# Altium PCB PCBV2.PcbDoc (part 1 of 2)
Units mm, origin at the board's own origin, x right, y up, seen from the top; angles counter-clockwise.
Board outline 200.03 x 99.95 mm, 4 copper layers (Top Layer, Signal Layer 1, Signal Layer 2, Bottom Layer), stack 0.778 mm thick; 105 components, 43 nets, 243 pads, 14 vias.
Unrouted connection lines stored in the file: 1.
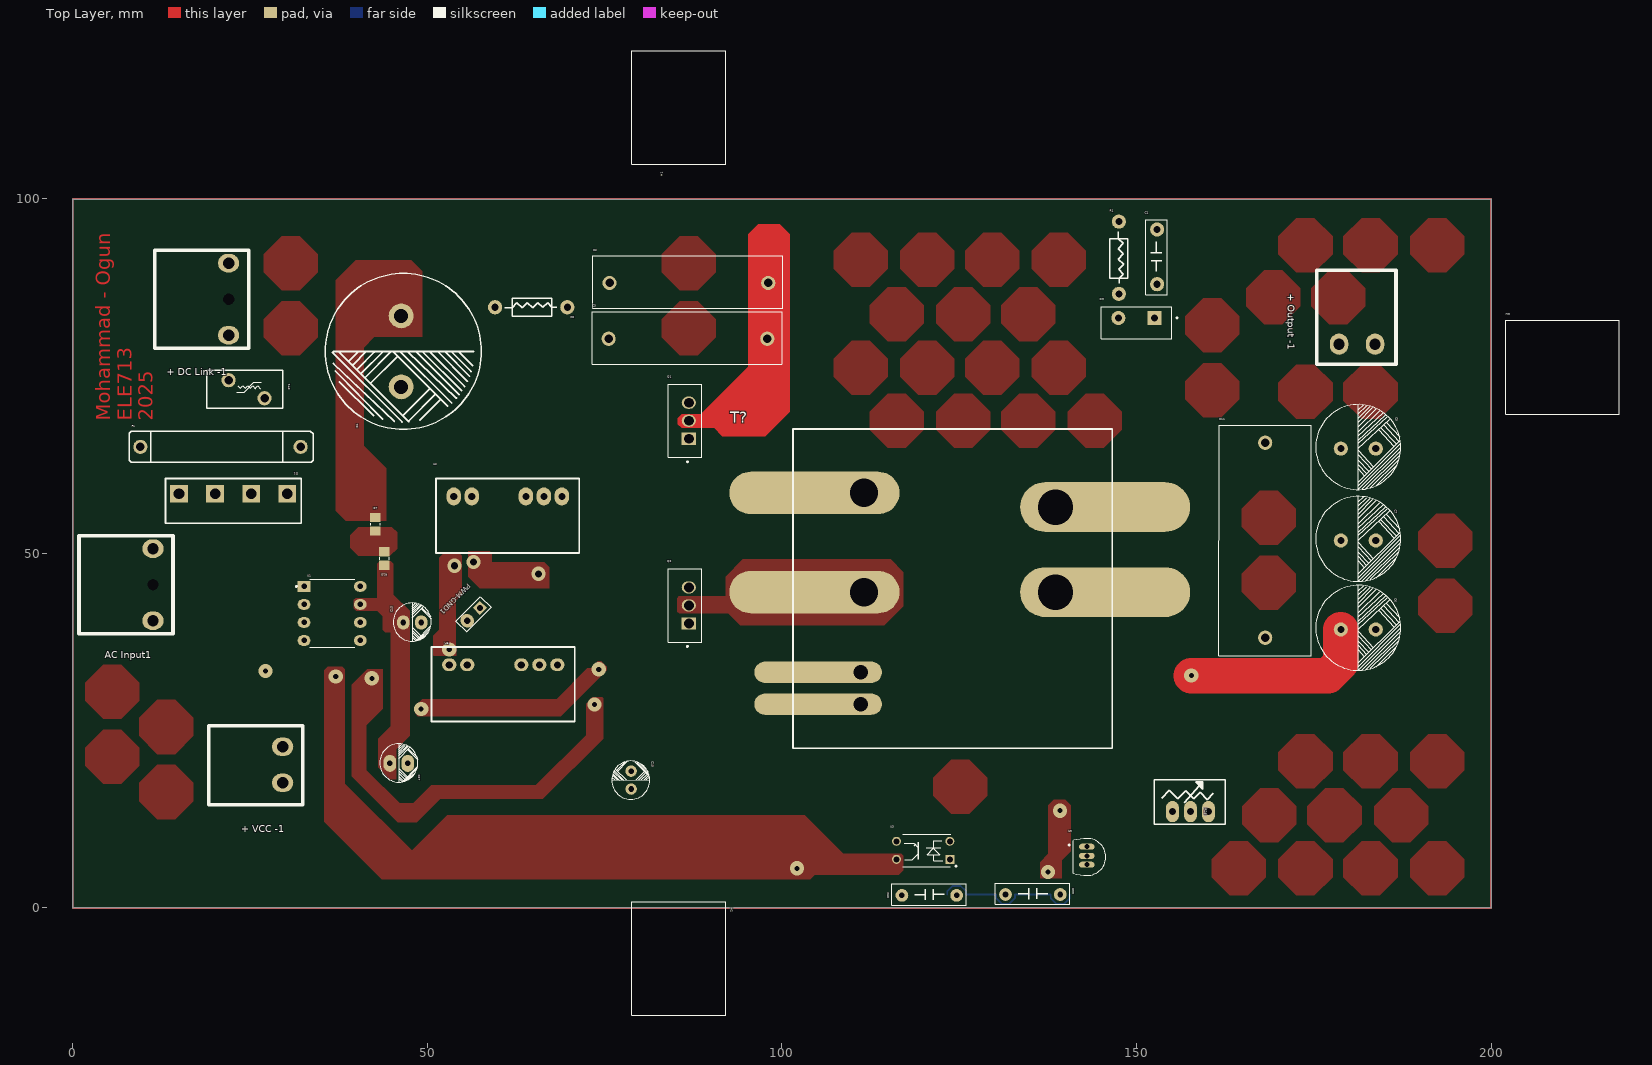
[diagram p0: Top Layer view]
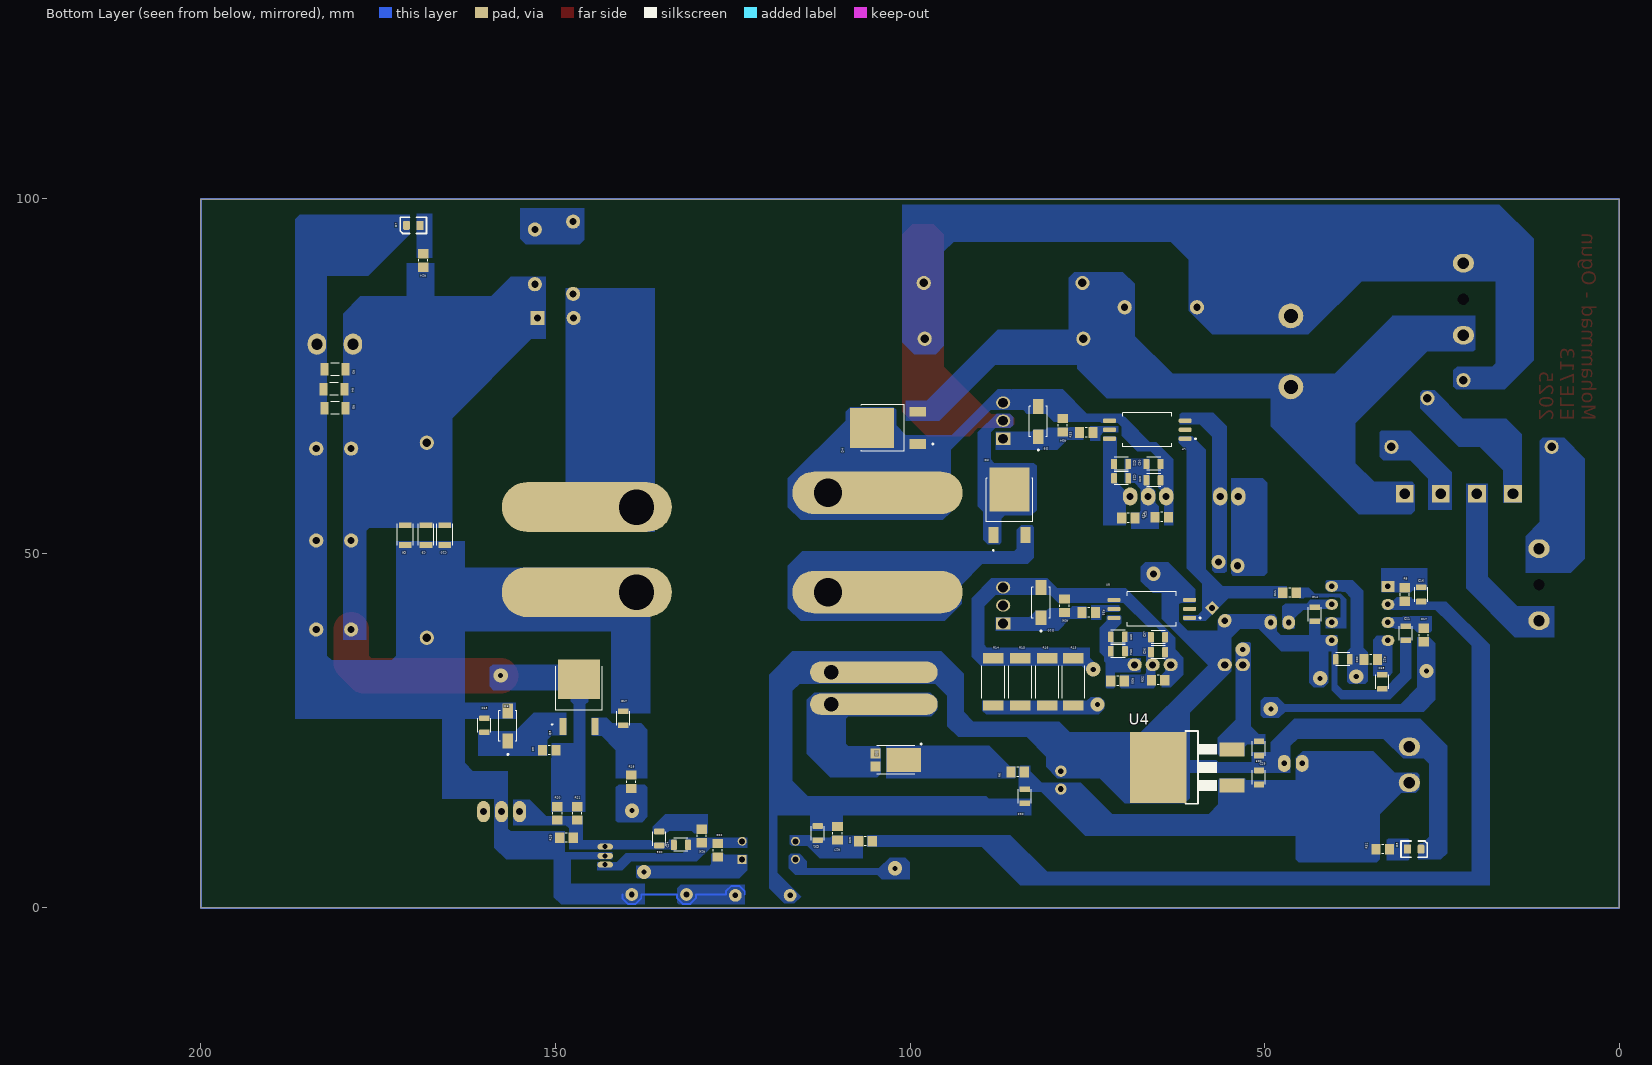
[diagram p1: Bottom Layer view, seen from below]
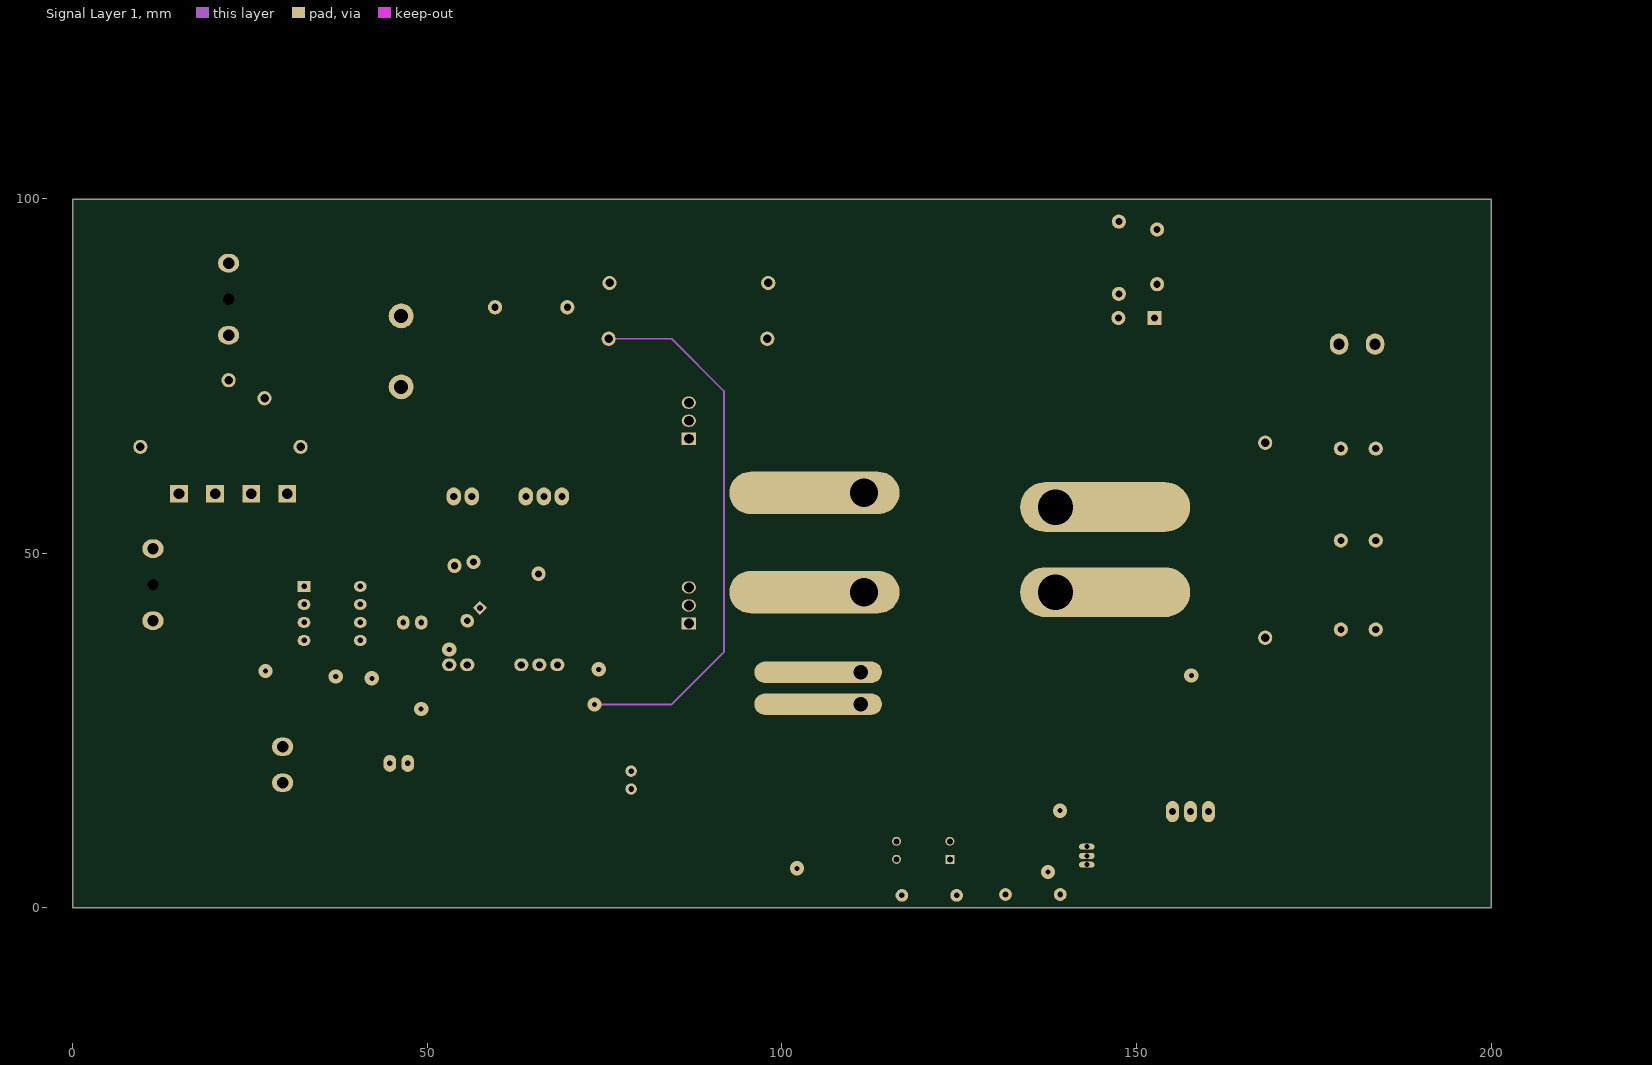
[diagram p2: Signal Layer 1]
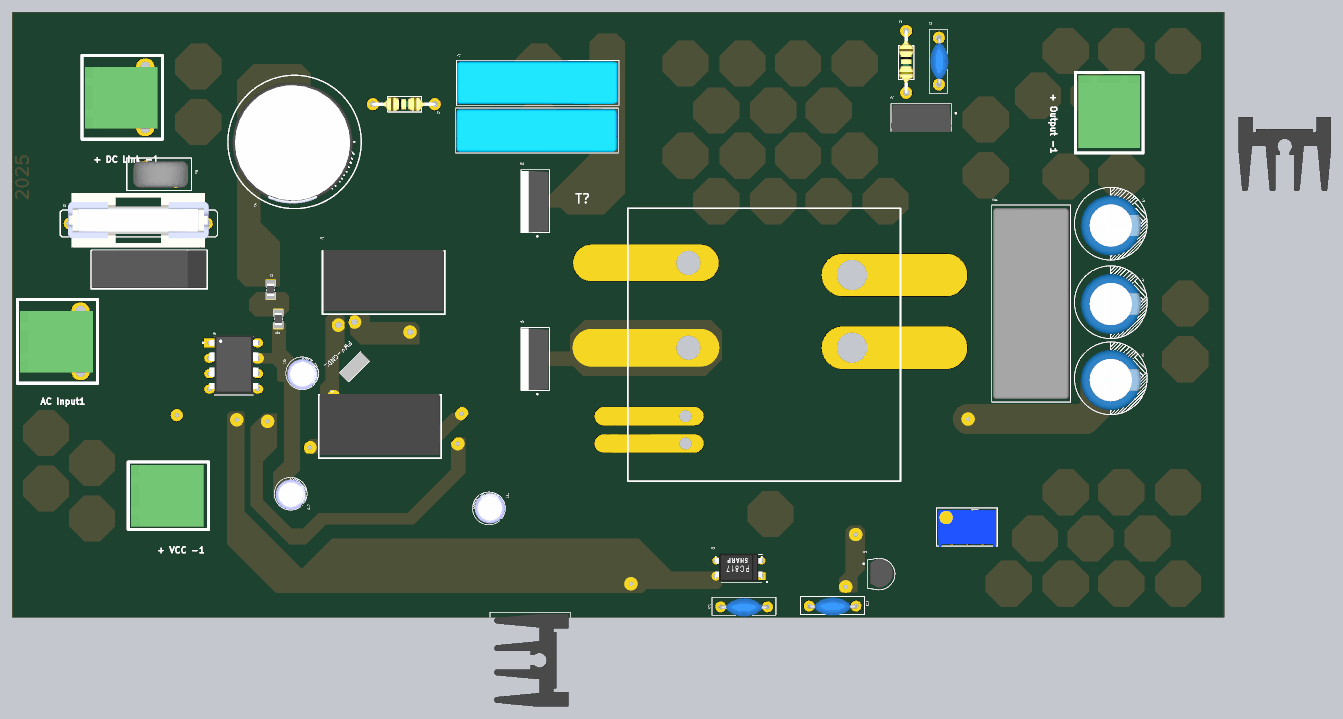
[diagram p4: 3D render of the assembled board from above, using the file's embedded part models]
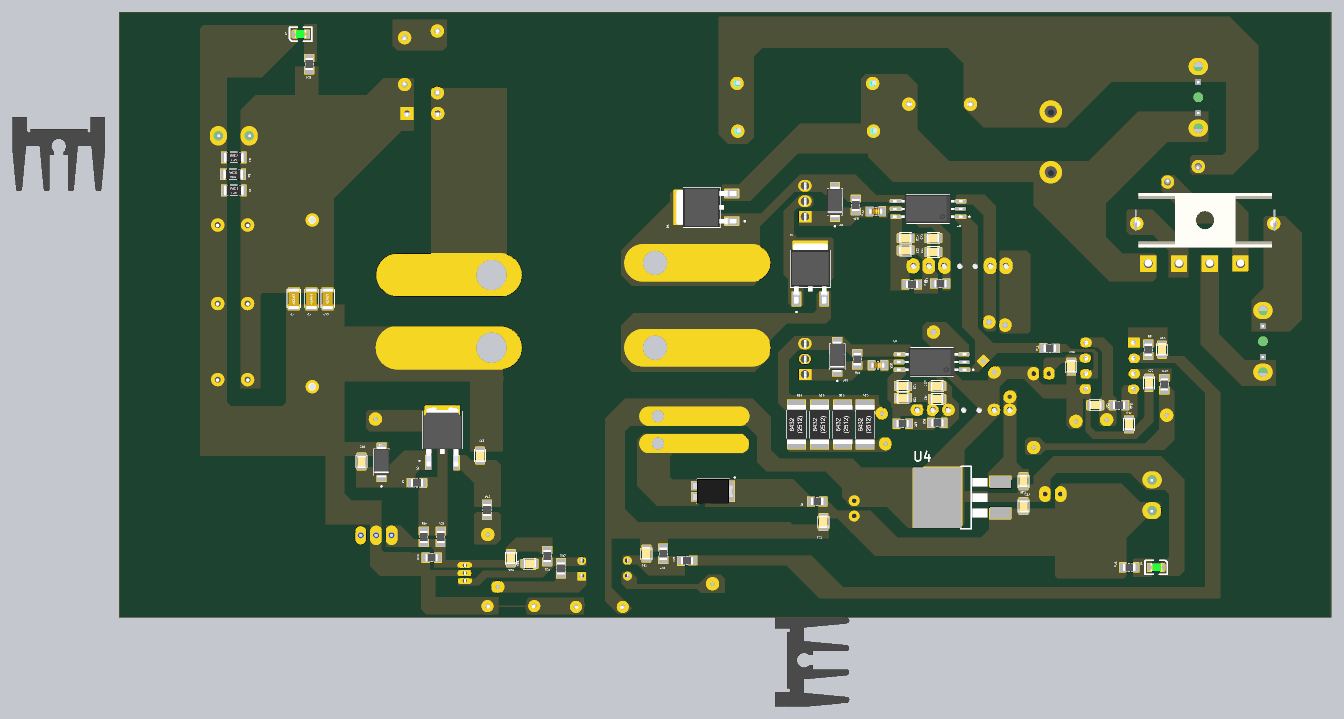
[diagram p5: 3D render of the assembled board from below, using the file's embedded part models]

## Layer stack, top to bottom
Top Solder: solder mask 0.0102, Solder Resist, Dk 3.5
Top Layer: signal copper 0.0356
Dielectric 1: core 0.254, FR-4, Dk 4.2
Signal Layer 1: signal copper 0.036
Dielectric 3: prepreg 0.127, Dk 4.2
Signal Layer 2: signal copper 0.036
Dielectric 2: core 0.254, Dk 4.2
Bottom Layer: signal copper 0.0356
Bottom Solder: solder mask 0.0102, Solder Resist, Dk 3.5

## Board outline
0,0 200.025,0 200.025,99.949 0,99.949

## Design rules (kind name [scope] priority, off if disabled: settings)
Clearance [All] p1: gap=0.3 ignorepadtopadclearanceinfootprint=FALSE
Height [All] p1: minheight=0 maxheight=404 prefheight=12.7
HoleSize [All] p1: absolutevalues=TRUE maxlimit=3 minlimit=0.025 maxpercent=80.000 minpercent=20.000
MinimumSolderMaskSliver [All] p1: minsoldermaskwidth=0.1
PolygonConnect [All] p1: connectstyle=Direct reliefconductorwidth=0.254 reliefentries=4 polygonreliefangle="90 Angle" airgapwidth=0.254
RoutingVias [All] p1: holewidth=0.711 width=1.27 viastyle="Through Hole" minholewidth=0.711 minwidth=1.27 maxholewidth=0.711 maxwidth=1.27
SilkToSilkClearance [All] p1: silktosilkclearance=0.1
SilkToSolderMaskClearance [IsPad] p1: minsilkscreentomaskgap=0.01 clearancetoexposedcopper=TRUE
SolderMaskExpansion [All] p1: expansion=0.102
Width [All] p1: maxlimit=6.35 minlimit=0.254 preferedwidth=0.762 midlayer2_maxwidth=0.254 midlayer2_prefwidth=0.254 minimp=50.000000 maximp=50.000000 favimp=50.000000
25 further rules are at their usual default settings.

## Components (designator, comment, footprint, x,y, rotation, side; value= is the part's Value field where it differs from the comment)
"+ DC Link -1" "732-2088-ND" "Connector 1x3 5.08mm" 21.971,85.852 r270 top
"+ Output -1" "732-2088-ND" "Connector 1x2 5.08mm" 182.372,79.502 r180 top
"+ VCC -1" "732-2088-ND" "Connector 1x2 5.08mm" 29.591,21.463 r270 top
"AC Input1" "732-2088-ND" "Connector 1x3 5.08mm" 11.303,45.593 r270 top
C1 "(DIGIKEY Part Number)" "Capacitor Polyester High Voltage DIP"#1 152.908,91.821 r90 top value="33pF, 1000V"
C2 "CBB23" "Capacitor Film DIP 04" 97.692,88.138 r0 top value="100nF, 1000V"
C3 "CBB23" "Capacitor Film DIP 04" 97.565,80.264 r0 top value="100nF, 1000V"
C4 "493-2587-ND" "Capacitor Aluminum Electrolytic DIP 20*36.5*10" 46.609,78.486 r270 top value="470uF, 400V"
C5 "UHV1V271MPD1TA-ND" "Capacitor Aluminum Electrolytic DIP 10*13*5" 181.28,64.999 r0 top value="270uF, 35V"
C6 "UHV1V271MPD1TA-ND" "Capacitor Aluminum Electrolytic DIP 10*13*5" 181.28,39.497 r0 top value="270uF, 35V"
C7 "UHV1V271MPD1TA-ND" "Capacitor Aluminum Electrolytic DIP 10*13*5" 181.28,52.045 r0 top value="270uF, 35V"
C8 "478-KGM21NR71H104JTTR-ND" "Capacitor Ceramic SMD 1206" 171.196,52.588 r90 bottom value="100nF, 50V"
C9 "478-KGM21NR71H104JTTR-ND" "Capacitor Ceramic SMD 1206" 168.275,52.588 r90 bottom value="100nF, 50V"
C10 "478-KGM21NR71H104JTTR-ND" "Capacitor Ceramic SMD 1206" 165.608,52.588 r90 bottom value="100nF, 50V"
C11 "478-KGM21NR71H104JTTR-ND" "Capacitor Film DIP 06" 168.148,38.1 r90 top value="100nF, 50V"
C12 "GRM2195C1H103JA01D" "Capacitor Ceramic SMD 805" 83.82,15.748 r90 bottom value="10nF, 50V"
C13 "732-8851-1-ND" "Capacitor Aluminum Electrolytic DIP 5*7.5*2.5"#1 47.872,40.316 r0 top value="1uF, 50V"
C14 "399-C0805C104J5RAC7800TR-ND" "Capacitor Ceramic SMD 805" 42.926,41.402 r90 bottom value="0.1uF, 50V"
C15 "P15139-ND" "Capacitor Aluminum Electrolytic DIP 5*7.5*2.5"#2 78.683,18.027 r90 top value="68uF, 50V"
C16 "490-1642-2-ND" "Capacitor Ceramic SMD 805" 27.94,44.196 r90 bottom value="10nF, 25V"
C17 "478-KGM21NR71H104JTTR-ND" "Capacitor Ceramic SMD 805" 140.462,26.761 r270 bottom value="100nF, 50V"
C18 "KGM21NR71H683JT" "Capacitor Ceramic SMD 805" 160.02,25.781 r270 bottom value="68nF, 50V"
C19 "490-1627-2-ND" "Capacitor Ceramic SMD 805" 33.401,31.877 r90 bottom value="2nF, 25V"
C20 "311-3498-2-ND" "Capacitor Ceramic SMD 805" 38.989,35.052 r180 bottom value="1uF, 20V"
C21 "399-C0805C101J5GAC7800TR-ND" "Capacitor Ceramic SMD 805" 30.099,38.735 r90 bottom value="100pF, 50V"
C22 "C0805C104J5RAC7800" "Capacitor Ceramic SMD 805" 70.231,62.611 r0 bottom value="100nF, 50V"
C23 "CC0805JKX7R9BB105" "Capacitor Ceramic SMD 805" 70.231,60.579 r0 bottom value="1uF, 50V"
C24 "KGM21NR71H683JT" "Capacitor Ceramic SMD 805" 132.321,8.89 r180 bottom value="68 nF, 50V"
C25 "C0805C104J5RAC7800" "Capacitor Ceramic SMD 805" 50.8,22.479 r90 bottom value="100nF, 50V"
C26 "C0805C104J5RAC7800" "Capacitor Ceramic SMD 805" 135.369,9.779 r90 bottom value="100nF, 50V"
C27 "732-8851-1-ND" "Capacitor Aluminum Electrolytic DIP 5*7.5*2.5"#3 45.974,20.447 r0 top value="1uF, 50V"
C28 "C0805C104J5RAC7800" "Capacitor Ceramic SMD 805" 65.659,60.325 r0 bottom value="100nF, 50V"
C29 "490-18663-2-ND" "Capacitor Ceramic SMD 805" 50.8,18.415 r270 bottom value="10uF, 50V"
C30 "CC0805JKX7R9BB105" "Capacitor Ceramic SMD 805" 65.659,62.611 r0 bottom value="1uF, 50V"
C31 "C0805C104J5RAC7800" "Capacitor Ceramic SMD 805" 113.03,10.541 r90 bottom value="100nF, 50V"
C32 "(DIGIKEY Part Number)" "Capacitor Polyester High Voltage DIP"#2 120.777,1.778 r0 top value="2.2 nF, 50V"
C33 "(DIGIKEY Part Number)" "Capacitor Polyester High Voltage DIP"#2 135.382,1.905 r0 top value="2.2nF, 50V"
C34 "C0805C104J5RAC7800" "Capacitor Ceramic SMD 805" 70.683,36.195 r0 bottom value="100nF, 50V"
C35 "CC0805JKX7R9BB105" "Capacitor Ceramic SMD 805" 70.689,38.227 r0 bottom value="1uF, 50V"
C36 "C0805C104J5RAC7800" "Capacitor Ceramic SMD 805" 65.024,36.068 r0 bottom value="100nF, 50V"
C37 "CC0805JKX7R9BB105" "Capacitor Ceramic SMD 805" 65.024,38.2 r0 bottom value="1uF, 50V"
D1 "31-GBU10V08-TU-ND" "Bridge Rectifier 1Phase 600V 10A GBJ" 22.606,58.42 r180 top
D2 "DSEP6-06AS-TRL" "Diode SMD TO-252 (DPAK)" 85.979,56.769 r90 bottom
D3 "MBR10150_T0" "Diode DIP ITO-220AC" 149.987,82.535 r180 top
D4 "DSEP6-06AS-TRL" "Diode SMD TO-252 (DPAK)" 103.124,67.691 r0 bottom
D5 "PDS3100-13" "Diode SMD POWERDI5" 102.04,20.859 r180 bottom
D6 "BZT52C20-7-F" "Diode Zener SMD DO-214AC" 156.718,25.66 r90 bottom
D7 "L62505TR-ND" "LED SMD 805 01" 170.053,96.266 r270 bottom
D8 "L62505TR-ND" "LED SMD 805 01" 28.909,8.298 r90 bottom
D9 "BZT52C18-7-F" "Diode Zener SMD DO-214AC" 81.915,68.58 r90 bottom
D10 "BZT52C18-7-F" "Diode Zener SMD DO-214AC" 81.534,43.053 r90 bottom
F1 "F1730-ND" "Fuse Full DIP 02" 9.525,65.024 r0 top
H1 "(DIGIKEY Part Number)" "HEATSINK 05" 90,120 r270 top
H2 "(DIGIKEY Part Number)" "HEATSINK 05" 90,0 r270 top
H3 "(DIGIKEY Part Number)" "HEATSINK 05" 202.946,80.772 r0 top
PWM-GND1 "A105225-ND" "Header 01 1x2" 56.515,41.402 r315 top
Q1 "IPP50R280CEXKSA1-ND" "MOSFET DIP TO-220" 86.868,68.707 r90 top
Q2 "IPP50R280CEXKSA1-ND" "MOSFET DIP TO-220" 86.868,42.672 r90 top
Q3 "2STD1665T4" "BJT NPN SMD DPAK TO-252" 146.685,29.788 r180 bottom
R1 "(DIGIKEY Part Number)" "Resistor DIP 0.25W 01" 147.513,91.694 r270 top value=100
R2 "P200KDATR-ND" "Resistor DIP 0.25W 01" 64.643,84.709 r0 top value="200 K"
R3 "RMCF2010JT1K20" "Resistor SMD 1206" 181.102,75.946 r0 bottom value="1.2 K"
R4 "RMCF2010JT1K20" "Resistor SMD 1206" 181.229,73.152 r0 bottom value="1.2 K"
R5 "RMCF2010JT1K20" "Resistor SMD 1206" 181.102,70.485 r0 bottom value="1.2 K"
R6 "(DIGIKEY Part Number)" "Resistor SMD 805" 84.836,19.177 r180 bottom value=10
R7 "P47KDATR-ND" "Resistor SMD 805" 42.672,54.102 r270 top value="47 K"
R8 "RG20P10.0KBTR-ND" "Resistor SMD 805" 30.226,44.196 r90 bottom value="10 K"
R9 "P2.7KDATR-ND" "Resistor SMD 805" 150.876,22.225 r0 bottom value="2.7 K"
R10 "P47KDATR-ND" "Resistor SMD 805" 43.942,49.276 r270 top value="47 K"
R11 "TC0525B1001T5G" "Resistor SMD 805" 46.482,44.45 r0 bottom value="1 K"
R12 "TC0550D8201T5F" "Resistor SMD 805" 35.052,35.038 r0 bottom value="8.2 K"
R13 "13-RT1206BRE071RL-ND" "Resistor SMD 2512" 76.962,31.877 r90 bottom value="1 Ohm"
R14 "13-RT1206BRE071RL-ND" "Resistor SMD 2512" 88.265,31.877 r90 bottom value="1 Ohm"
R15 "13-RT1206BRE071RL-ND" "Resistor SMD 2512" 84.455,31.877 r90 bottom value="1 Ohm"
R16 "13-RT1206BRE071RL-ND" "Resistor SMD 2512" 80.645,31.877 r90 bottom value="1 Ohm"
R17 "RG20P10.0KBTR-ND" "Resistor SMD 805" 27.559,38.481 r90 bottom value="10 K"
R18 "P2.7KDATR-ND" "Resistor SMD 805" 139.319,17.78 r270 bottom value="2.7 K"
R19 "TC0525B1001T5G" "Resistor SMD 805" 69.215,54.991 r0 bottom value="1 K"
R20 "ERA-6AEB473V" "Resistor SMD 805" 149.733,13.335 r270 bottom value="47 K"
R21 "ERA-6AEB473V" "Resistor SMD 805" 146.939,13.335 r270 bottom value="47 K"
R22 "P2.7KDATR-ND" "Resistor SMD 805" 127.114,8.128 r90 bottom value="2.7 K"
R23 "RG20P10.0KBTR-ND" "Resistor SMD 805" 106.299,9.398 r0 bottom value="10 K"
R24 "ERJ-P06F3002V-" "Resistor SMD 805" 168.656,91.313 r90 bottom value="30 K"
R25 "TC0525B1001T5G" "Resistor SMD 805" 64.516,55.118 r0 bottom value="1 K"
R26 "P200KDATR-ND" "Resistor SMD 805" 129.385,10.16 r90 bottom value="200 K"
R27 "ERA-6AEB102V" "Resistor SMD 805" 110.236,10.541 r90 bottom value="1 K"
R28 "(DIGIKEY Part Number)" "Resistor Variable DIP 02" 157.607,13.589 r0 top value=20K
R29 "ERA-6AEB272V" "Resistor SMD 805" 148.463,9.906 r0 bottom value="2.7 K"
R30 "TC0525B1001T5G" "Resistor SMD 805" 70.739,32.004 r0 bottom value="1 K"
R31 "ERJ-P06F3002V-" "Resistor SMD 805" 33.354,8.291 r180 bottom value="30 K"
R32 "TC0525B1001T5G" "Resistor SMD 805" 65.024,32.131 r0 bottom value="1 K"
R33 "749-1374-2-ND" "Resistor SMD 1206 MELF 01" 75.156,67.056 r180 bottom value=5.6
R34 "RG2012P-103-B-T5" "Resistor SMD 805" 78.486,68.072 r90 bottom value="10 K"
R35 "749-1374-2-ND" "Resistor SMD 1206 MELF 01" 74.803,41.656 r180 bottom value=5.6
R36 "RG2012P-103-B-T5" "Resistor SMD 805" 78.232,42.625 r90 bottom value="10 K"
RT1 "118-BN-LG10Y2R0MYB-ND" "NTC Thermistor DIP 01" 23.368,71.882 r180 top
T? "Transformer" CustomTransformer-ELE713 101.581,22.535 r0 top
U1 "UC3844BN" "PWM Controller UC3844 DIP 01" 36.576,41.529 r0 top
U2 "MGJ2 Series" "Linear Regulator Isolated Module DC-DC DIP 02"#1 53.721,58.039 r0 top
U3 "PS2501-1-H-A" "Optoisolators DIP 01" 124.955,6.858 r180 top
U4 "LM2940SX-12/NOPBTR-ND" D2PAK 63.5,19.812 r90 bottom
U5 "(DIGIKEY Part Number)" "TL431 DIP" 142.989,7.366 r270 top
U6 "MGJ2 Series" "Linear Regulator Isolated Module DC-DC DIP 02"#2 53.086,34.29 r0 top
U7 "IS341WTR-ND" "Gate Driver IS341W SO6 Stretched" 66.548,67.437 r0 bottom
U8 "IS341WTR-ND" "Gate Driver IS341W SO6 Stretched" 65.913,42.164 r0 bottom

## Footprints (in the part's own frame and the unit in brackets; to place one, negate y for a bottom-side part, rotate by r counter-clockwise, add the part's x,y. Pads: shape width x height; smd on the part's side, far side on the other; paste and mask are expansions set on the pad)
"BJT NPN SMD DPAK TO-252" [mm]
  rect 0.98x2.4 smd: 1(-2.28,-4.2) 2(2.28,-4.2)
  rect 5.86x5.57 smd paste-4: 3(0,2.47)
  silkscreen extent -3.89,-4 3.3,4.27, body extent -3.25,-4.87 3.25,4.86, height 2.17
"Bridge Rectifier 1Phase 600V 10A GBJ" [mm]
  rect 2.5x2.5 hole 1.5: 1(-2.54,0) 2(2.54,0) 3(-7.62,0) 4(7.62,0)
  silkscreen extent -9.6,-2.16 9.55,4.17, body extent -9.5,-2.24 9.5,4.02, height 16.75
"Capacitor Aluminum Electrolytic DIP 5*7.5*2.5"#1 [mm]
  oval 1.8x2 hole 0.8: 1(-1.263,-0.057) 2(1.263,-0.057)
  silkscreen extent -2.7,-2.7 2.7,2.7, body extent -2.48,-2.66 2.53,2.34, height 9.21
"Capacitor Aluminum Electrolytic DIP 5*7.5*2.5"#2 [mm]
  round 1.6 hole 0.8: 1(-1.263,-0.057) 2(1.263,-0.057)
  silkscreen extent -2.7,-2.7 2.7,2.7, body extent -2.48,-2.66 2.53,2.34, height 9.21
"Capacitor Aluminum Electrolytic DIP 5*7.5*2.5"#3 [mm]
  oval 1.8x2.4 hole 0.8: 1(-1.263,-0.057) 2(1.263,-0.057)
  silkscreen extent -2.7,-2.7 2.7,2.7, body extent -2.48,-2.66 2.53,2.34, height 9.21
"Capacitor Aluminum Electrolytic DIP 10*13*5" [mm]
  round 2 hole 1: 1(-2.464,-0.229) 2(2.464,-0.229)
  silkscreen extent -6,-6 6,6, body extent -5,-5.3 5,4.7, height 14
"Capacitor Aluminum Electrolytic DIP 20*36.5*10" [mm]
  round 3.5 hole 2: 1(-5,-0.305) 2(5,-0.305)
  silkscreen extent -11,-11 11,11, body extent -9.85,-10.33 10.16,9.67, height 2
"Capacitor Ceramic SMD 805" [mm]
  rrect25% 0.8x1.47 smd: 1(-0.98,0) 2(1.01,0)
  silkscreen extent -1,-0.91 1,0.91, body extent -0.94,-0.69 1.09,0.71, height 1.23
"Capacitor Ceramic SMD 1206" [mm]
  rect 0.8x1.8 smd: 1(-1.4,0) 2(1.4,0)
  silkscreen extent -1.43,-1.11 1.57,1.11, body extent -1.7,-0.9 1.7,0.9, height 0.87
"Capacitor Film DIP 04" [mm]
  round 2 hole 1.2: 1(-22,0) 2(0.375,0)
  silkscreen extent -24.35,-3.59 2.45,3.82, body extent -24.27,-3.4 2.22,3.6, height 16
"Capacitor Film DIP 06" [mm]
  round 2 hole 1.2: 1(0,0) 2(27.5,0)
  silkscreen extent -2.54,-6.48 30,6.52, body extent -2.02,-6.2 29.47,6.3, height 21.5
"Capacitor Polyester High Voltage DIP"#1 [mm]
  round 2 hole 1: 1(-3.861,0) 2(3.861,0)
  silkscreen extent -5.33,-1.4 5.24,1.6, body extent -4.05,-1.58 4.05,1.42, height 9
"Capacitor Polyester High Voltage DIP"#2 [mm]
  round 1.8 hole 0.8: 1(-3.861,0) 2(3.861,0)
  silkscreen extent -5.33,-1.4 5.24,1.6, body extent -4.05,-1.58 4.05,1.42, height 9
"Connector 1x2 5.08mm" [mm]
  oval 2.6x3 hole 1.6: 1(-1.27,0) 2(3.81,0)
  silkscreen extent -4.23,-10.43 6.93,2.83, body extent -3.73,-9.98 6.43,3.27, height 40
"Connector 1x3 5.08mm" [mm]
  oval 2.6x3 hole 1.6: 1(-5.08,0) 2(5.08,0)
  round 0 hole 1.6: ""(0,0)
  silkscreen extent -6.9,-10.43 6.93,2.83, body extent -5.03,-9.98 5.13,3.27, height 40
CustomTransformer-ELE713 [mm]
  oval 24x6 hole 4 copper offset -7,0: 1(10,36) 2(10,22)
  oval 18x3 hole 2 copper offset -6,0: 3(9.525,6.2) 4(9.525,10.7)
  oval 24x7 hole 5 copper offset 7,0: 5(37,34) 6(37,22)
  silkscreen extent 0,0 45,45
D2PAK [mm]
  rect 2x3.5 smd: 1(-2.54,-8.89) 3(2.54,-8.89)
  rect 10x8 smd: 2(0,1.5)
  silkscreen extent -5.13,-6.73 5.13,-2.31
"Diode DIP ITO-220AC" [mm]
  round 1.995 hole 1: 1(2.54,-0.655)
  rect 1.995x1.995 hole 1: 2(-2.54,-0.655)
  silkscreen extent -5.82,-2.25 4.97,2.25, body extent -4.97,-2.09 4.97,2.41, height 19.6
"Diode SMD POWERDI5" [mm]
  rect 1.4x1.39 smd: 1(-2.862,-0.92) 1(-2.862,0.92)
  rect 4.86x3.36 smd: 2(1.12,0)
  silkscreen extent -2.69,-2 3.7,2.37, body extent -3.3,-2.05 3.3,2, height 1.12
"Diode SMD TO-252 (DPAK)" [mm]
  rect 2.29x1.4 smd: 1(-4.19,-2.285) 2(-4.19,2.285)
  rect 6.18x5.69 smd paste-4: 2(2.245,0)
  silkscreen extent -6.43,-3.3 3.79,3.3, body extent -4.95,-3.25 4.95,3.25, height 2.38
"Diode Zener SMD DO-214AC" [mm]
  rect 2.09x1.5 smd: 1(2.13,0) 2(-2.13,0)
  silkscreen extent -4.1,-1.28 2.16,1.28, body extent -2.57,-1.28 2.57,1.28, height 2.5
"Fuse Full DIP 02" [mm]
  round 2 hole 1.2: 1(0,0) 2(22.6,0)
  silkscreen extent -1.56,-2.2 24.36,2.22, body extent -0.26,-3.95 22.9,5.05, height 9.44
"Gate Driver IS341W SO6 Stretched" [mm]
  rrect50% 1.8x0.59 smd: 1(-5.33,1.27) 2(-5.33,0) 3(-5.33,-1.27) 4(5.33,-1.27) 5(5.33,0) 6(5.33,1.27)
  silkscreen extent -6.9,-2.42 3.47,2.42, body extent -5.7,-2.29 5.8,2.29, height 3.3
"Header 01 1x2" [mm]
  rect 1.398x1.398 hole 0.89: 1(0,1.27)
  oval 2x1.8 hole 0.89: 2(0,-1.27)
  silkscreen extent -1.07,-2.44 1.07,2.44, body extent -1.07,-2.44 1.06,2.44, height 11.08
"HEATSINK 05" [mm]
  silkscreen extent -0.87,-11.15 15.12,2.07, body extent -0.63,-10.45 14.67,1.81, height 25
"LED SMD 805 01" [mm]
  rect 1.27x1 smd: 1(0,0.95)
  rrect50% 1.27x1 smd: 2(0,-0.95)
  silkscreen extent -1.15,-1.85 1.14,1.85, body extent -0.62,-1.05 0.63,0.95, height 0.8
"Linear Regulator Isolated Module DC-DC DIP 02"#1 [mm]
  oval 2.032x2.54 hole 1: 1(0,0) 2(2.54,0) 5(10.16,0) 6(12.7,0) 7(15.24,0)
  silkscreen extent -2.5,-7.98 17.7,2.52, body extent -2.3,-7.46 17.46,2.6, height 12.75
"Linear Regulator Isolated Module DC-DC DIP 02"#2 [mm]
  oval 2x1.8 hole 1: 1(0,0) 2(2.54,0) 5(10.16,0) 6(12.7,0) 7(15.24,0)
  silkscreen extent -2.5,-7.98 17.7,2.52, body extent -2.3,-7.46 17.46,2.6, height 12.75
"MOSFET DIP TO-220" [mm]
  rect 1.7x2 hole 1.4: 1(-2.54,0)
  oval 1.7x2 hole 1.4: 2(0,0) 3(2.54,0)
  silkscreen extent -5.89,-1.81 5.18,2.89, body extent -5.16,-1.63 5,2.92, height 19.65
"NTC Thermistor DIP 01" [mm]
  round 2 hole 1.2: 1(-3.674,0) 2(1.397,-2.54)
  silkscreen extent -6.22,-3.94 4.45,1.4, body extent -5.64,-3.41 3.36,0.89, height 11.8
"Optoisolators DIP 01" [mm]